# Altium PCB main_board.PcbDoc (part 2 of 2)
Units mil, origin at the board's own origin, x right, y up, seen from the top; angles counter-clockwise.
Board outline 8661.42 x 3543.31 mil, 2 copper layers (Top Layer, Bottom Layer); 79 components, 95 nets, 441 pads, 199 vias.
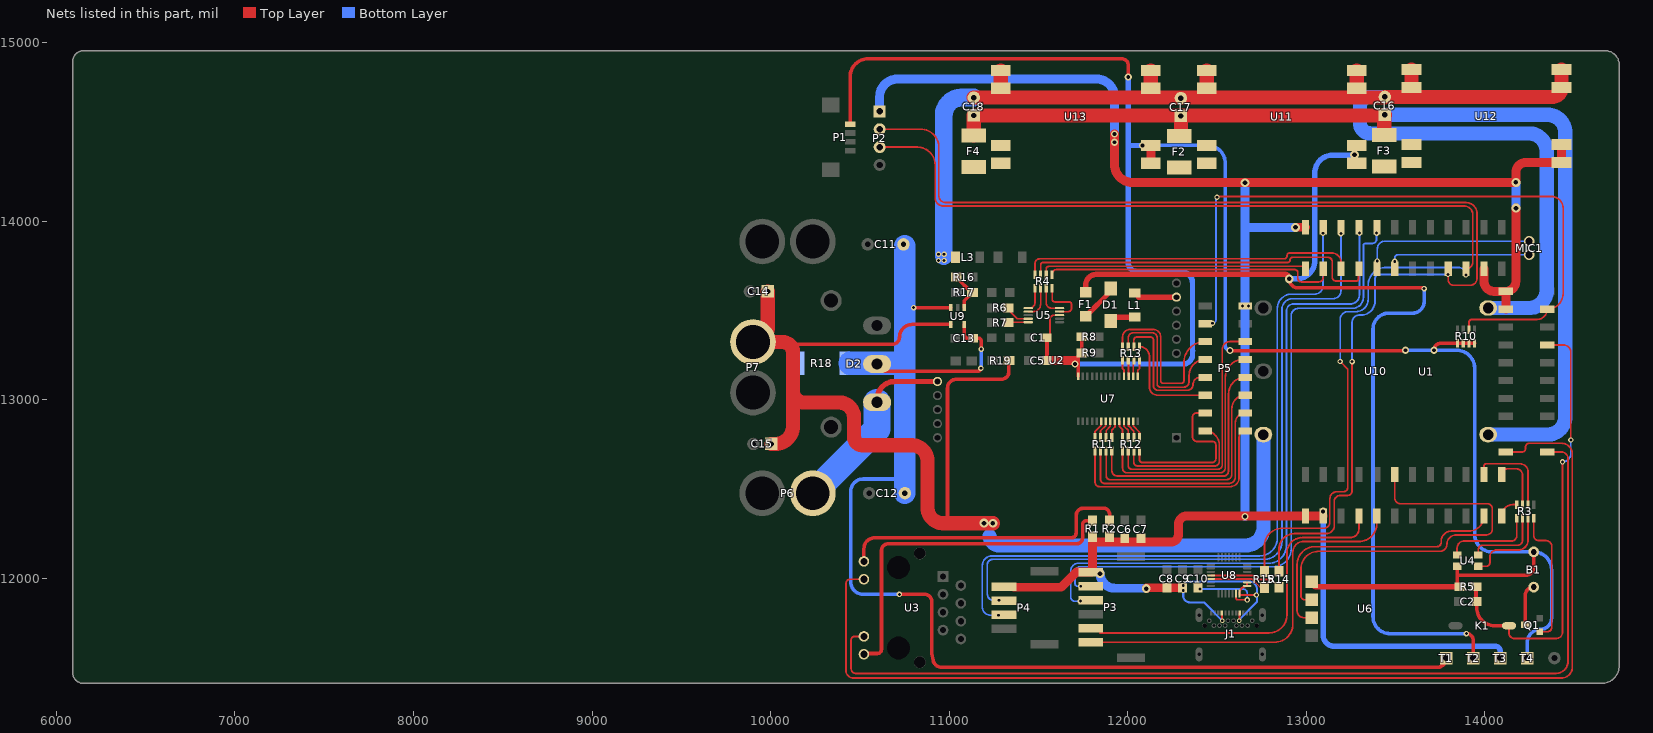
[diagram p2: the nets of this part, all layers, seen from the top]

## Via types
v1: diameter 30, hole 16, Top Layer to Bottom Layer, 165 vias
v2: diameter 40, hole 22, Top Layer to Bottom Layer, 22 vias
v3: diameter 50, hole 26, Top Layer to Bottom Layer, 12 vias

## Nets (pads, with @x,y where several pads share a name; then routed paths per layer and width w, separated by ;. In a path a pad name is that pad's centre, name@x,y a point inside that pad or via, vN(x,y) a via of type N, cw(c..) or ccw(c..) an arc to the next point about the centre after c; other vN are vias at no path point) (continued)
I2C2_SDA: P5.14 R10.3 U1.66 | length 3844.6
  Top Layer w10: v1(12500,14134) cw(c12504,14134) 12504,14138 14372.87,14138 cw(c14372.87,14071.87) 14439,14071.87 14439,13596.09 cw(c14349.96,13596.09) U1.66@14349.96,13507.05 cw(c14292.91,13507.05) 14292.91,13450 13929.32,13450 ccw(c13929.32,13431.68) 13911,13431.68 R10.3@13911,13392
  Bottom Layer w10: v1@12468,13424 ccw(c12468,13451) 12495,13451 12495,14129 cw(c12500,14129) v1(12500,14134)
  other v1: 12475,13428
IN_24.0V: C11.1 C12.1 C13.2 D2.2 R18.2 T1.1 U9.3 U9.5 | length 7458.9
  Top Layer w20: D2.2@10596.54,13200.46 ccw(c10636.99,13200.46) 10636.99,13160 11162,13160 ccw(c11162,13176) v1(11178,13176) ; v1(10721,11910) 10864.22,11910 cw(c10864.22,11872.22) 10902,11872.22 10902,11595 ccw(c10996,11595) 10903.55,11578 10910.55,11539.94 ccw(c10957.3,11548.54) 10957.3,11501 13732,11501 ccw(c13732,11553) T1.1@13784,11553 ; v1(10801,13516) U9.3@11010.2,13516 ; U9.5@11085,13421.51 11085,13362 ccw(c11102.42,13362) 11102.42,13344.58 11162.42,13344.58 cw(c11162.42,13327) 11180,13327 v1(11180,13283)
  Bottom Layer w20: v1(10721,11910) 10517.93,11910 cw(c10517.93,11978.93) 10449,11978.93 10449,12487 cw(c10518,12487) 10518,12556 10749.97,12556 cw(c10749.97,12554) 10751.97,12554 ; v1(11178,13176) ccw(c11178,13178) 11180,13178 v1(11180,13283)
  Bottom Layer w120: C12.1@10751.97,12476.38 10751.97,12554 C11.1@10751.97,13862.2
  Bottom Layer w130: R18.2@10445,13203.72 10747.69,13203.72
KEY(A7): C2.2 K1.1 R5.1 U1.62 | length 2498
  Top Layer w10: K1.1@14135.71,11734.2 14135.71,11692.25 ccw(c14164.96,11692.25) 14164.96,11663 14401,11663 ccw(c14401,11697) 14435,11697 v1(14435,12652) ; U1.62@14349.96,13307.05 14440.45,13307.05 cw(c14440.45,13265.5) 14482,13265.5 v1(14482,12774)
  Top Layer w20: R5.1@13950.66,11963.5 13950.66,11873.94 ccw(c13955.02,11873.94) C2.2@13955.02,11869.58 13955.02,11834.2 ccw(c14055.02,11834.2) 14055.02,11734.2 K1.1@14135.71,11734.2
  Bottom Layer w10: v1(14435,12652) ccw(c14435,12699) 14482,12699 v1(14482,12774)
LEDB(C3): R3.2 U1.48 | length 120.4
  Top Layer w10: U1.48@14095.32,12349.13 cw(c14158.77,12349.13) 14158.77,12412.59 R3.2@14179.5,12412.59
LEDG(C2): R3.4 U1.47 | length 319.1
  Top Layer w10: U1.47@14095.32,12581.42 cw(c14126.9,12581.42) 14126.9,12613 14176,12613 cw(c14176,12578) 14211,12578 R3.4@14211,12412.59
LEDR(C1): R3.6 U1.45 | length 511.1
  Top Layer w10: U1.45@13995.32,12581.42 13995.32,12629.32 cw(c14007,12629.32) 14007,12641 14198.1,12641 cw(c14198.1,12596.6) 14242.5,12596.6 R3.6@14242.5,12412.59
LINK_LED: U1.49 U3.10 | length 6361.6
  Top Layer w10: U3.10@10522.83,11994.45 10445,11994.45 ccw(c10445,11971.45) 10422,11971.45 10422,11483.12 ccw(c10464.12,11483.12) 10464.12,11441 14429.15,11441 ccw(c14429.15,11501.85) 14490,11501.85 14490,12696 ccw(c14430,12696) 14430,12756 14249.49,12756 ccw(c14249.49,12734.51) 14228,12734.51 14228,12725.46 cw(c14209.59,12725.46) 14209.59,12707.05 U1.49@14117.68,12707.05
MICN: MIC1.2 U1.12 | length 781.9
  Bottom Layer w10: v1(13496,13775) 13496,13794.63 cw(c13513,13794.63) 13513,13811.63 MIC1.2@14248.55,13811.63
MICP: MIC1.1 U1.10 | length 942.4
  Bottom Layer w10: v1(13398,13777) 13398,13844.21 cw(c13441.21,13844.21) 13441.21,13887.42 MIC1.1@14248.55,13887.42
NetB1_2: B1.2 Q1.3 | length 238.8
  Top Layer w20: Q1.3@14227.16,11738.48 14227.16,11903.73 cw(c14274,11903.73) B1.2@14274,11950.57
NetC10_2: C10.2 U8.6 | length 410.2
  Top Layer w10: U8.6@12606.87,11914.68 12606.87,11888.13 ccw(c12616,11888.13) 12616,11879 v1(12670,11879)
  Bottom Layer w10: v1(12405,11940) 12645,11940 cw(c12645,11915) 12670,11915 v1(12670,11879)
NetD1_1: D1.1 F1.2 | length 213
  Top Layer w30: F1.2@11764.75,13467.12 11905,13607.37 D1.1@11905,13622
NetD1_2: D1.2 L1.1 | length 143
  Top Layer w30: D1.2@11905,13440.9 11926.51,13462.41 L1.1@12039.11,13462.41
NetF2_2: F2.2 U11.2
NetF3_2: F3.2 U12.2
NetF4_2: F4.2 U13.2
NetQ1_1: Q1.1 R3.7 | length 768.5
  Top Layer w10: R3.7@14273.99,12337 14273.99,12240.01 ccw(c14303,12240.01) 14303,12211 14342.73,12211 cw(c14342.73,12178.73) 14375,12178.73 14375,11725.21 cw(c14350.27,11725.21) 14350.27,11700.48 Q1.1@14307.16,11700.48
NetR1_2: R1.2 U3.12 | length 1973.9
  Top Layer w20: U3.12@10522.83,11578.61 10598.32,11578.61 ccw(c10598.32,11601.29) 10621,11601.29 10621,12156.03 cw(c10657.97,12156.03) 10657.97,12193 11712.2,12193 ccw(c11712.2,12228.8) 11748,12228.8 11748,12300 cw(c11770.34,12300) 11770.34,12322.34 R1.2@11803.5,12322.34
NetR2_2: R2.2 U3.9 | length 1674.1
  Top Layer w20: U3.9@10522.83,12094.29 10522.83,12166.28 cw(c10583.55,12166.28) 10583.55,12227 11686,12227 ccw(c11686,12252) 11711,12252 11711,12349 cw(c11755,12349) 11755,12393 11863,12393 cw(c11863,12357.5) 11898.5,12357.5 R2.2@11898.5,12322.34
NetR3_1: R3.1 U4.1 | length 511.8
  Top Layer w10: U4.1@13844.86,12130.18 13844.86,12168.7 cw(c13885.16,12168.7) 13885.16,12209 14150.77,12209 ccw(c14150.77,12237.73) 14179.5,12237.73 R3.1@14179.5,12337
NetR3_3: R3.3 U4.3 | length 432.2
  Top Layer w10: U4.3@13962.97,12130.18 13962.97,12159.55 cw(c13988.42,12159.55) 13988.42,12185 14183.75,12185 ccw(c14183.75,12212.25) 14211,12212.25 R3.3@14211,12337
NetR3_5: R3.5 U4.4 | length 500.2
  Top Layer w10: U4.4@13962.97,12067.19 14008.19,12067.19 ccw(c14008.19,12088) 14029,12088 14029,12121 cw(c14066,12121) 14066,12158 14185.8,12158 ccw(c14185.8,12214.69) 14242.5,12214.69 R3.5@14242.5,12337
NetR4_1: R4.1 U5.1 | length 139.6
  Top Layer w10: U5.1@11442.99,13512.7 11448.7,13512.7 ccw(c11448.7,13545) 11481,13545 11481,13628.01 R4.1@11481.11,13628.01
NetR4_3: R4.3 U5.2 | length 186.5
  Top Layer w10: U5.2@11442.99,13493.02 11469.02,13493.02 ccw(c11469.02,13537) 11513,13537 11513,13588.01 11512.61,13588.01 R4.3@11512.61,13628.01
NetR4_5: R4.5 U5.10 | length 177
  Top Layer w10: R4.5@11544.1,13628.01 11544,13628.01 11544,13542 ccw(c11573.3,13542) 11573.3,13512.7 U5.10@11618.19,13512.7
NetR4_7: R4.7 U5.9 | length 291.7
  Top Layer w10: R4.7@11575.6,13628.01 cw(c11575.6,13626.61) 11577,13626.61 11577,13562 ccw(c11591,13562) 11591,13548 11673,13548 cw(c11673,13536) 11685,13536 11685,13511 cw(c11667.02,13511) 11667.02,13493.02 U5.9@11618.19,13493.02
NetR6_1: R6.1 U5.4 | length 142.6
  Top Layer w10: R6.1@11330.84,13513.89 11330.84,13504.56 11381.75,13453.65 U5.4@11442.99,13453.65
NetR7_1: R7.1 U5.5 | length 113
  Top Layer w10: R7.1@11330.84,13431.89 11332.91,13433.96 U5.5@11442.99,13433.96
NetR11_1: R11.1 U7.9 | length 98.4
  Top Layer w10: R11.1@11910.94,12788.44 11910.94,12829.94 11928.22,12847.22 U7.9@11928.22,12879.72
NetR11_3: R11.3 U7.8 | length 100.9
  Top Layer w10: R11.3@11879.45,12788.44 11879.45,12827.45 11902.63,12850.63 U7.8@11902.63,12879.72
NetR11_5: R11.5 U7.7 | length 103.3
  Top Layer w10: R11.5@11847.95,12788.44 11847.95,12825.95 11877.03,12855.03 U7.7@11877.03,12879.72
NetR11_7: R11.7 U7.6 | length 105.8
  Top Layer w10: R11.7@11816.46,12788.44 11816.46,12821.46 11851.44,12856.44 U7.6@11851.44,12879.72
NetR12_1: R12.1 U7.13 | length 105.9
  Top Layer w10: U7.13@12030.58,12879.72 12030.58,12853.42 12065.94,12818.06 R12.1@12065.94,12788.44
NetR12_3: R12.3 U7.12 | length 103.5
  Top Layer w10: U7.12@12004.99,12879.72 12004.99,12853.01 12034.45,12823.55 R12.3@12034.45,12788.44
NetR12_5: R12.5 U7.11 | length 101
  Top Layer w10: U7.11@11979.4,12879.72 11979.4,12851.6 12002.95,12828.05 R12.5@12002.95,12788.44
NetR12_7: R12.7 U7.10 | length 98.6
  Top Layer w10: U7.10@11953.81,12879.72 11953.81,12850.19 11971.46,12832.54 R12.7@11971.46,12788.44
NetR13_1: R13.1 U7.18 | length 93
  Top Layer w10: R13.1@11971.46,13221.44 11971.46,13173.54 11979.4,13165.6 U7.18@11979.4,13131.68
NetR13_3: R13.3 U7.17 | length 90.6
  Top Layer w10: R13.3@12002.95,13221.44 12004.99,13219.41 U7.17@12004.99,13131.68
NetR13_5: R13.5 U7.16 | length 91.4
  Top Layer w10: U7.16@12030.58,13131.68 12030.58,13217.57 R13.5@12034.45,13221.44
NetR13_7: R13.7 U7.15 | length 93.8
  Top Layer w10: U7.15@12056.17,13131.68 12056.17,13164.17 12065.94,13173.94 R13.7@12065.94,13221.44
NetR14_1: R14.1 U8.25 | length 409.2
  Top Layer w10: U8.25@12466.02,12016.16 12706.84,12016.16 12730,11993 12803.84,11993 R14.1@12847.5,11949.34
NetR15_1: R15.1 U8.26 | length 319.4
  Top Layer w10: U8.26@12466.02,11996.47 12695.53,11996.47 12743.66,11948.34 R15.1@12765.5,11948.34
NetR16_2: R16.2 R17.1 U9.1 | length 230
  Top Layer w20: R16.2@11039.66,13686.5 11125.66,13600.5 R17.1@11130.66,13600.5 11085,13554.84 U9.1@11085,13516
PGND: C16.2 C17.2 C18.2 L3.1 U10.4 U11.1 U11.4 U12.1 U12.4 U13.1 U13.4 | length 7671.2
  Top Layer w80: C18.2@11138,14692 11287,14692 ; U13.1@11289.27,14844.17 U13.1@11289.27,14743.74 11289.27,14694.27 cw(c11287,14694.27) 11287,14692 ; U13.4@12129.5,14743.74 U13.4@12129.5,14843.74 ; U11.1@12442.27,14743.74 U11.1@12442.27,14844.17 ; U11.4@13282.5,14843.74 U11.4@13282.5,14743.74 13282.5,14692 ; C16.2@13440,14692 13282.5,14692 ; C16.2@13440,14696 13553.45,14696 ; U12.1@13589.27,14849.17 U12.1@13589.27,14748.74 cw(c13532.53,14748.74) 13555.52,14696.87 cw(c13532.53,14748.74) 13553.45,14696 ; U12.4@14429.5,14848.74 U12.4@14429.5,14748.74 cw(c14376.76,14748.74) 14376.76,14696 13553.45,14696 ; 11287,14692 13282.5,14692
  Bottom Layer w80: C16.2@13440,14696 13351.78,14696 ccw(c13351.78,14645.22) 13301,14645.22 13301,14549.54 ccw(c13359.54,14549.54) 13359.54,14491 14247,14491 cw(c14247,14391) 14347,14391 14347,13613.66 cw(c14247,13613.66) 14247,13513.66 U10.4@14018.84,13513.66
  Bottom Layer w100: v1@10970,13804 10970,14592 cw(c11070,14592) 11070,14692 C18.2@11138,14692
  other v1: 10940,13780 10972,13780 10940,13815 10972,13815
PLC_12V: L1.2 U2.11 | length 243.7
  Top Layer w30: L1.2@12039.11,13597.41 12062.04,13574.47 U2.11@12273.32,13574.47
POWER_24V: D2.1 P6.1 U2.13 | length 1070
  Top Layer w30: D2.1@10596.54,12985.89 10596.54,13002.03 cw(c10696.54,13002.03) 10696.54,13102.03 U2.13@10934.73,13102.03
  Bottom Layer w150: P6.1@10236.64,12476.38 10596.54,12836.28 D2.1@10596.54,12985.89
PWM0: P5.1 R11.8 | length 1306.3
  Top Layer w10: R11.8@11816.46,12712.85 11816.46,12539.4 ccw(c11842.85,12539.4) 11842.85,12513 12574,12513 ccw(c12574,12563) 12624,12563 12624,12791.17 cw(c12658.09,12791.17) P5.1@12658.09,12825.25
PWM1: P5.3 R11.6 | length 1336.6
  Top Layer w10: R11.6@11847.95,12712.85 11847.95,12554.62 ccw(c11871.57,12554.62) 11871.57,12531 12566.03,12531 ccw(c12566.03,12567.97) 12603,12567.97 12603,12870.17 cw(c12658.09,12870.17) P5.3@12658.09,12925.25
PWM2: P5.5 R11.4 | length 1358
  Top Layer w10: R11.4@11879.45,12712.85 11879.45,12574.38 ccw(c11901.82,12574.38) 11901.82,12552 12552.9,12552 ccw(c12552.9,12582.1) 12583,12582.1 12583,12950.17 cw(c12658.09,12950.17) P5.5@12658.09,13025.25
PWM3: P5.7 R11.2 | length 1374.6
  Top Layer w10: R11.2@11910.94,12712.85 11910.94,12604.51 ccw(c11943.45,12604.51) 11943.45,12572 12535.28,12572 ccw(c12535.28,12601.72) 12565,12601.72 12565,13032.17 cw(c12658.09,13032.17) P5.7@12658.09,13125.25
PWM4: P5.9 R12.8 | length 1376.7
  Top Layer w10: R12.8@11971.46,12712.85 11971.46,12615.98 ccw(c11996.44,12615.98) 11996.44,12591 12518.17,12591 ccw(c12518.17,12619.83) 12547,12619.83 12547,13125.25 cw(c12647,13125.25) 12647,13225.25 P5.9@12658.09,13225.25
PWM5: P5.11 R12.6 | length 1434.1
  Top Layer w10: R12.6@12002.95,12712.85 12002.95,12631.35 ccw(c12023.3,12631.35) 12023.3,12611 12506.2,12611 ccw(c12506.2,12634.8) 12530,12634.8 12530,13282.8 cw(c12572.45,13282.8) 12572.45,13325.25 P5.11@12658.09,13325.25
PWM6: P5.2 R12.4 | length 784.4
  Top Layer w10: R12.4@12034.45,12712.85 12034.45,12648.65 ccw(c12054.09,12648.65) 12054.09,12629 12487.2,12629 ccw(c12487.2,12654.8) 12513,12654.8 12513,12745.93 ccw(c12433.68,12745.93) P5.2@12433.68,12825.25
PWM7: P5.4 R12.2 | length 927.2
  Top Layer w10: R12.2@12065.94,12712.85 12065.94,12665.02 ccw(c12082.96,12665.02) 12082.96,12648 12473.07,12648 ccw(c12473.07,12668.93) 12494,12668.93 12494,12747.52 ccw(c12475.52,12747.52) 12475.52,12766 12389.49,12766 cw(c12389.49,12792.49) 12363,12792.49 12363,12904.08 cw(c12384.17,12904.08) 12384.17,12925.25 P5.4@12433.68,12925.25
PWM8: P5.6 R13.8 | length 596.1
  Top Layer w10: R13.8@12065.94,13297.03 cw(c12065.94,13240.98) 12122,13240.98 12122,13070.27 ccw(c12167.02,13070.27) 12167.02,13025.25 P5.6@12433.68,13025.25
PWM9: P5.8 R13.6 | length 767.7
  Top Layer w10: R13.6@12034.45,13297.03 12034.45,13334.45 cw(c12051,13334.45) 12051,13351 12128,13351 cw(c12128,13335) 12144,13335 12144,13078 ccw(c12169,13078) 12169,13053 12334,13053 ccw(c12334,13085) 12366,13085 cw(c12406.25,13085) 12406.25,13125.25 P5.8@12433.68,13125.25
PWM10: P5.10 R13.4 | length 883.9
  Top Layer w10: R13.4@12002.95,13297.03 12002.95,13346.09 cw(c12031.86,13346.09) 12031.86,13375 12135.6,13375 cw(c12135.6,13345.6) 12165,13345.6 12165,13089.1 ccw(c12184.1,13089.1) 12184.1,13070 12313,13070 ccw(c12313,13101) 12344,13101 12344,13135.57 cw(c12433.68,13135.57) P5.10@12433.68,13225.25
PWM11: P5.12 R13.2 | length 995.2
  Top Layer w10: R13.2@11971.46,13297.03 11971.46,13351.7 cw(c12013.75,13351.7) 12013.75,13394 12142,13394 cw(c12142,13351) 12185,13351 12185,13106.29 ccw(c12199.29,13106.29) 12199.29,13092 12302,13092 ccw(c12302,13105) 12315,13105 12315,13206.57 cw(c12433.68,13206.57) P5.12@12433.68,13325.25
SPD_LED: U1.50 U3.11 | length 5585.7
  Top Layer w10: U3.11@10522.83,11674.45 10471.67,11674.45 ccw(c10471.67,11653.78) 10451,11653.78 10451,11493.95 ccw(c10477.95,11493.95) 10477.95,11467 14399.5,11467 ccw(c14399.5,11533.5) 14466,11533.5 14466,12670.49 ccw(c14429.44,12670.49) 14429.44,12707.05 U1.50@14349.96,12707.05
SPI1_CLK: R4.2 U1.6 | length 1876
  Top Layer w10: R4.2@11481.11,13700.6 11481.11,13763.11 cw(c11507,13763.11) 11507,13789 12875.14,13789 ccw(c12875.14,13806.37) 12890.12,13797.58 ccw(c12875.14,13806.37) 12892.51,13806.37 cw(c12908.14,13806.37) 12908.14,13822 13141.75,13822 cw(c13141.75,13768.25) 13195.5,13768.25 U1.6@13195.5,13733.46
SPI1_CS: R4.4 U1.8 | length 2037.3
  Top Layer w10: R4.4@11512.61,13700.6 11512.61,13754.92 cw(c11526.69,13754.92) 11526.69,13769 12897,13769 ccw(c12897,13781) 12909,13781 cw(c12926,13781) 12926,13798 13120,13798 cw(c13120,13772) 13146,13772 13146,13685 ccw(c13166,13685) 13166,13665 13281,13665 ccw(c13281,13677) 13293,13677 13293,13730.96 cw(c13295.5,13730.96) U1.8@13295.5,13733.46
SPI1_MISO: R4.8 U1.4 | length 1647.8
  Top Layer w10: R4.8@11575.6,13700.6 cw(c11604,13700.6) 11576.59,13708.02 cw(c11604,13700.6) 11604,13729 12935,13729 cw(c12935,13711) 12953,13711 12953,13680 ccw(c12973,13680) 12973,13660 13070,13660 ccw(c13070,13685.5) 13095.5,13685.5 13095.5,13722.5 cw(c13033,13722.5) U1.4@13095.06,13715.06
SPI1_MOSI: R4.6 U1.2 | length 1499.5
  Top Layer w10: R4.6@11544.1,13700.6 11544.1,13732.88 cw(c11558.22,13732.88) 11558.22,13747 12981.97,13747 cw(c12981.97,13733.46) U1.2@12995.5,13733.46
T24.0V: C14.1 C15.1 P7.1 R18.1 R19.1 U9.4 U10.1 | length 7212.2
  Top Layer w20: 10102.53,13310.87 10682.87,13310.87 ccw(c10682.87,13350) 10722,13350 cw(c10793.51,13350) 10793.51,13421.51 U9.4@11010.2,13421.51 ; 10979,12308 ccw(c10979,12320) 10991,12320 10991,13064 cw(c11042,13064) 11042,13115 11292.59,13115 ccw(c11292.59,13157.07) 11334.66,13157.07 R19.1@11334.66,13219.5
  Top Layer w78.74: P7.1@9901.57,13323.25 10066.05,13323.25 cw(c10066.05,13263.3) 10102.53,13310.87 cw(c10066.05,13263.3) 10126,13263.3 10126,13046 ; C15.1@10003.94,12751.97 10026,12751.97 ccw(c10026,12851.97) 10126,12851.97 10126,13046 ; v3(11245,12308) 10966.12,12308 cw(c10966.12,12395.12) 10879,12395.12 10879,12657 ccw(c10791,12657) 10791,12745 10513.81,12745 cw(c10513.81,12790.81) 10468,12790.81 10468,12898 ccw(c10381,12898) 10381,12985 10187,12985 cw(c10187,13046) 10126,13046
  Top Layer w80: P7.1@9901.57,13323.25 ccw(c9901.57,13405.93) 9984.25,13405.93 C14.1@9984.25,13606.3
  Bottom Layer w78.74: 11227,12237 ccw(c11280,12237) 11280,12184 12659.98,12184 ccw(c12659.98,12284) 12759.98,12284 U10.1@12759.98,12805
  other v3: 11195,12309
UART0_RXD: P2.2 R14.2 U1.18 | length 6824.6
  Top Layer w10: P2.2@10610.83,14514.76 10842,14514.76 cw(c10842,14414.76) 10942,14414.76 10942,14142.99 ccw(c10980.99,14142.99) 10980.99,14104 13894.37,14104 cw(c13894.37,14041.37) 13957,14041.37 13957,13681 cw(c13917,13681) 13917,13641 13825.83,13641 cw(c13825.83,13671.33) 13795.5,13671.33 U1.18@13795.5,13733.46 ; R14.2@12847.5,12039.34 12847.5,12163.5 cw(c12934,12163.5) 12934,12250 13113,12250 ccw(c13113,12294) 13157,12294 13157,12430.35 cw(c13190.65,12430.35) 13190.65,12464 13232,12464 ccw(c13232,12489) 13257,12489 v1(13257,13213)
  Bottom Layer w10: v1(13257,13213) 13257,13435 cw(c13296,13435) 13296,13474 13308,13474 ccw(c13308,13551) 13385,13551 13385,13677 cw(c13410,13677) 13410,13702 v1(13794,13702)
UART0_TXD: P2.3 R15.2 U1.20 | length 6680.4
  Top Layer w10: P2.3@10610.83,14414.76 10822,14414.76 cw(c10822,14314.76) 10922,14314.76 10922,14131.03 ccw(c10968.03,14131.03) 10968.03,14085 13883.56,14085 cw(c13883.56,14035.56) 13933,14035.56 13933,13770.96 cw(c13895.5,13770.96) U1.20@13895.5,13733.46 ; R15.2@12765.5,12038.34 12765.5,12180 cw(c12865.5,12180) 12865.5,12280 13099,12280 ccw(c13099,12313) 13132,12313 13132,12444.13 cw(c13172.87,12444.13) 13172.87,12485 13208.62,12485 ccw(c13208.62,12509.38) 13233,12509.38 13233,13171 v1(13190,13214)
  Bottom Layer w10: v1(13190,13214) 13190,13449 cw(c13234,13449) 13234,13493 13278,13493 ccw(c13278,13562) 13347,13562 13347,13641 cw(c13447,13641) 13447,13741 13852,13741 cw(c13852,13699) v1(13894,13699)
UART1_RXD: P3.1 U1.34 | length 2199.3
  Top Layer w10: P3.1@11792.38,11640.54 cw(c11793.84,11640.54) 11793.84,11642 12825,11642 ccw(c12825,11742) 12925,11742 12925,12146 cw(c12985,12146) 12985,12206 13295.32,12206 ccw(c13295.32,12306) 13395.32,12306 U1.34@13395.32,12349.13
UART1_TXD: P3.2 U1.32 | length 2006.5
  Top Layer w10: 11843,11694 12792,11694 ccw(c12792,11794) 12872.84,11735.13 ccw(c12792,11794) 12892,11794 12892,12141 cw(c12979,12141) 12979,12228 13247,12228 ccw(c13247,12276.32) 13295.32,12276.32 U1.32@13295.32,12349.13
UART2_RXD: U1.46 U6.4 | length 1568.2
  Top Layer w10: U6.4@13030.91,11779.19 12986.69,11779.19 cw(c12986.69,11816.88) 12949,11816.88 12949,12077 cw(c13049,12077) 13049,12177 13732,12177 ccw(c13732,12201) 13756,12201 13756,12208 cw(c13812,12208) 13812,12264 13910.18,12264 ccw(c13910.18,12349.13) U1.46@13995.32,12349.13
UART2_TXD: U1.35 U6.3 | length 2249.8
  Top Layer w10: U6.3@13030.91,11879.19 12993.24,11879.19 cw(c12993.24,11902.43) 12970,11902.43 12970,12051 cw(c13070,12051) 13070,12151 13749,12151 ccw(c13749,12190) 13788,12190 cw(c13841,12190) 13841,12243 14009.34,12243 ccw(c14009.34,12275.66) 14042,12275.66 14042,12391 ccw(c14016,12391) 14016,12417 13529,12417 cw(c13529,12450.68) 13495.32,12450.68 U1.35@13495.32,12581.42
USB_DM1: P4.2 U1.5 | length 3992.6
  Bottom Layer w10: v1(11279,11877) 11248,11877 cw(c11248,11911) 11214,11911 11214,12076 cw(c11244,12076) 11244,12106 11564,12106 12764,12106 ccw(c12764,12206) 12864,12206 12864,13506.32 cw(c12923.68,13506.32) 12923.68,13566 13151.13,13566 ccw(c13151.13,13608.87) 13194,13608.87 v1(13194,13930) ; v1@13193,13930 v1@13193,13939
USB_DM2: P3.5 U1.9 | length 3577.2
  Bottom Layer w10: v1(11737,11955) 11720,11955 cw(c11720,11970) 11705,11970 11705,12035.28 cw(c11734.72,12035.28) 11734.72,12065 12816,12065 ccw(c12816,12165) 12916,12165 12916,13471.13 cw(c12956.87,13471.13) 12956.87,13512 13258.7,13512 ccw(c13258.7,13573.3) 13320,13573.3 13320,13863.1 cw(c13331.9,13863.1) 13331.9,13875 13369,13875 ccw(c13369,13900) 13394,13900 v1(13394,13933)
USB_DP1: P4.3 U1.3 | length 3998.2
  Bottom Layer w10: v1(11277,11793) 11231,11793 cw(c11231,11838) 11186,11838 11186,12071.51 cw(c11239.49,12071.51) 11239.49,12125 12738,12125 ccw(c12738,12225) 12838,12225 12838,13511.2 cw(c12917.8,13511.2) 12917.8,13591 13046.66,13591 ccw(c13046.66,13638.34) 13094,13638.34 v1(13094,13932)
USB_DP2: P3.4 U1.7 | length 3630.7
  Bottom Layer w10: v1(11735,11872) cw(c11734,11872) 11734,11871 11704.8,11871 cw(c11704.8,11894.8) 11681,11894.8 11681,12040 cw(c11725,12040) 11725,12084 12789,12084 ccw(c12789,12184) 12889,12184 12889,13496.61 cw(c12928.39,13496.61) 12928.39,13536 13246.77,13536 ccw(c13246.77,13587.23) 13298,13587.23 v1(13298,13933) ; v1@13297,13933 v1@13297,13941
VDD_3.3V: B1.1 C1.1 C5.2 P1.1 R5.2 R8.2 R9.2 R10.2 R10.4 R10.6 R10.8 T4.1 U4.2 U5.8 U6.2 U7.28 U13.3 | length 12188.5
  Top Layer w10: C1.1@11547.98,13347.42 ccw(c11547.98,13364.44) 11565,13364.44 11565,13451 cw(c11587.33,13451) 11587.33,13473.33 U5.8@11618.19,13473.33
  Top Layer w20: P1.1@10445.5,14542.96 10445.5,14809 cw(c10545.5,14809) 10545.5,14909 11967.67,14909 cw(c11967.67,14873.67) 12003,14873.67 v2(12003,14807) ; C5.2@11546.02,13219.58 ccw(c11546.02,13221.55) 11547.98,13221.55 C1.1@11547.98,13347.42 ; U7.28@11723.49,13131.68 R9.2@11723.49,13246.84 ; R9.2@11743.51,13261.8 R8.2@11743.51,13352.8 ; v2(12574,13275) 13554,13275 v2(13556,13277) ; v2(13715,13277) cw(c13754.41,13277) 13754.41,13316.41 R10.8@13848.01,13316.41 R10.6@13879.5,13316.41 R10.4@13911,13316.41 R10.2@13942.5,13316.41 ; U4.2@13844.86,12067.19 13844.86,12017.62 ; R5.2@13860.66,11963.5 cw(c13860.66,11979.3) 13844.86,11979.3 13844.86,12017.62 ; B1.1@14274,12147.43 14274,12059.88 cw(c14231.75,12059.88) 14231.75,12017.62 13844.86,12017.62
  Top Layer w30: U6.2@13030.91,11979.19 ccw(c13057.59,11979.19) 13057.59,11952.5 R5.2@13860.66,11952.5
  Top Layer w50: C5.2@11546.02,13219.58 v2@11706,13219.58 ; U13.3@12129.5,14323.74 U13.3@12129.5,14423.74
  Bottom Layer w20: 12003,14420 cw(c12007,14420) 12007,14424 12022,14424 ; v2(12084,14424) 12447,14424 cw(c12447,14324) 12547,14324 12547,13302 ccw(c12574,13302) v2(12574,13275) ; 12367,13277 12369,13275 ; v2(13556,13277) v2(13715,13277) 13843,13277 cw(c13843,13177) 13943,13177 13943,12247.43 ccw(c14043,12247.43) 14043,12147.43 B1.1@14274,12147.43 cw(c14274,12047.43) 14374,12047.43 14374,11776 cw(c14312,11776) 14312,11714 ccw(c14312,11640.5) 14238.5,11640.5 T4.1@14238.5,11553
  Bottom Layer w30: v2(11705,13200) 12310,13200 ccw(c12310,13253.14) 12363.14,13253.14 12363.14,13653.23 ccw(c12298.37,13653.23) 12298.37,13718 12050.6,13718 cw(c12050.6,13765.6) 12003,13765.6 12003,14420 v2(12003,14807) ; 12022,14424 v2(12084,14424)
VDD_5.0V: C6.1 C7.1 C8.2 C9.2 J1.A4 J1.A9 J1.B4 J1.B9 P2.1 P3.6 P4.1 P5.15 R1.1 R2.1 T3.1 U1.1 U1.22 U1.26 U1.28 U1.65 U1.67 U8.7 U8.8 U8.9 U12.3 | length 13497.2
  Top Layer w12: J1.A4@12528.06,11806 12528.06,11764.27 ccw(c12530.02,11764.27) J1.B9@12530.02,11762.3 ; J1.B4@12624.51,11762.3 ccw(c12624.51,11764.27) 12626.48,11764.27 J1.A9@12626.48,11806 ; U8.9@12668.97,11976.79 U8.8@12668.97,11957.1 ccw(c12668.97,11914.68) U8.7@12626.55,11914.68 ccw(c12635.23,11914.68) 12635.23,11906 v1(12721,11906)
  Top Layer w50: P4.1@11363.67,11949.53 11627.53,11949.53 11712.24,12034.24 P3.6@11792.38,12034.24 ccw(c11792.38,12045.36) 11803.5,12045.36 R1.1@11803.5,12232.34 ; 11805,12198 cw(c11809.34,12198) 11809.34,12202.34 12241.03,12202.34 ccw(c12241.03,12246.31) 12285,12246.31 12285,12304 cw(c12330.13,12304) 12330.13,12349.13 U1.26@12995.32,12349.13 U1.28@13095.32,12349.13 ; v2(11926,14488) 11926,14317 ccw(c12026,14317) 12026,14217 12940,14217 ; v3(12104,11942) cw(c12108.98,11942) 12108.98,11946.98 C8.2@12219.58,11946.98 C9.2@12307.58,11946.98 ; 12944,14217 v3(14174,14217) 14174,14272.77 cw(c14229.97,14272.77) 14229.97,14328.74 U12.3@14429.5,14328.74 U12.3@14429.5,14428.74 ; v3@12951.25,13965.75 U1.1@12995.5,13965.75 ; U1.22@13995.5,13733.46 13995.5,13662.7 ccw(c14051.15,13662.7) 14051.15,13607.05 U1.67@14117.68,13607.05 ; U1.65@14117.68,13507.05 U1.67@14117.68,13607.05 ; v3(14175,14073) 14175,13664.37 14174,13663.37 cw(c14117.68,13663.37) U1.67@14117.68,13607.05
  Bottom Layer w12: J1.B9@12530.02,11762.3 12427.32,11865 12347.49,11865 cw(c12347.49,11901.49) 12311,11901.49 12311,11949 cw(c12344,11949) 12344,11982 12681,11982 cw(c12681,11939) 12724,11939 12724,11868 12624.51,11768.51 J1.B4@12624.51,11762.3
  Bottom Layer w30: P2.1@10610.83,14604.92 P2.1@10610.83,14614.76 ; v2(13095,12375) 13095,11680.49 ccw(c13156.49,11680.49) 13156.49,11619 14058.2,11619 cw(c14058.2,11590.2) 14087,11590.2 T3.1@14087,11553
  Bottom Layer w50: P2.1@10610.83,14614.76 10610.83,14696 cw(c10710.83,14696) 10710.83,14796 11826,14796 cw(c11826,14696) 11926,14696 v2@11926,14434 ; v3@11845,12029 ccw(c11930,12029) 11930,11944 v3@12104,11944 ; v2(12657,12346) 12657,13968 ; v3@12657,14211 12657,13968 ; v3(12940,13965) 12660,13965 cw(c12660,13968) 12657,13968 ; v3(14175,14073) v3@14175,14217
  other v1: 12311,11932 12311,11959 12644,13524 12677,13525
  other v2: 11926,14442
  other v3: 11845,12026 12657,14215
VDD_12.0V: F1.1 T2.1 U11.3 | length 5770.6
  Top Layer w20: v3(12905,13677) ccw(c12956,13677) 12956,13626 13374,13626 v1@13660,13626 ; v1(13897,11690) cw(c13897,11651.5) 13935.5,11651.5 T2.1@13935.5,11553
  Top Layer w30: F1.1@11764.75,13602.12 11764.75,13642.35 cw(c11824.39,13642.35) 11824.39,13702 12880,13702 cw(c12880,13677) v3(12905,13677)
  Bottom Layer w20: v1(13660,13622) 13660,13549 cw(c13596,13549) 13596,13485 13463,13485 ccw(c13463,13396) 13374,13396 13374,11785 ccw(c13469,11785) 13469,11690 v1(13897,11690)
  Bottom Layer w30: v3(12905,13677) 12948,13677 ccw(c12948,13777) 13048,13777 13048,14270 cw(c13148,14270) 13148,14370 v3@13262,14370
  other v3: 13270,14372
VDD_24.0V: C16.1 C17.1 C18.1 F2.1 F3.1 F4.1 U10.5 | length 5788.9
  Top Layer w80: F4.1@11137.39,14480.94 11138,14481.55 C18.1@11138,14592 13436,14592 ccw(c13436,14596) C16.1@13437.39,14592.25 ; F2.1@12289.39,14476.94 12298,14485.55 C17.1@12298,14589 ; F3.1@13437.39,14482.94 C16.1@13437.39,14592.25 ; C16.1@13440,14596 cw(c13436,14596) C16.1@13437.39,14592.25
  Bottom Layer w80: C16.1@13440,14596 14351,14596 cw(c14351,14496) 14451,14496 14451,12905 cw(c14351,12905) 14351,12805 U10.5@14018.84,12805
pads on no net: D2.0 J1.A2 J1.A3 J1.A5 J1.A8 J1.A10 J1.A11 J1.B2 J1.B3 J1.B5 J1.B8 J1.B10 J1.B11 J1.None P1.0 P3.0 P4.0 U1.11 U1.13 U1.14 U1.16 U1.19 U1.21 U1.25 U1.31 U1.36 U1.37 U1.38 U1.39 U1.40 U1.41 U1.42 U1.44 U1.55 U1.56 U1.57 U1.58 U1.61 U1.63 U1.68 U2.0 U2.2 U2.3 U2.4 U2.5 U2.6 U2.14 U2.15 U3.4 U3.5 U3.7 U3.MH3 U5.6 U5.7 U6.1 U6.6 U6.7 U6.8 U6.9 U6.10 U6.11 U6.12 U7.19 U7.20 U7.21 U7.22 U8.0 U8.1 U8.2 U8.10 U8.11 U8.12 U8.13 U8.14 U8.15 U8.16 U8.17 U8.18 U8.19 U8.20 U8.21 U8.22 U8.23 U8.24 U8.27 U8.28 U10.2

## Polygon pours and split planes (outlines as drawn)
GND on Top Layer "Top Layer-No Net" (solid, remove dead copper, pour order 12): 9635,14010 9635,14988 cw(c9735,14988) 9735,15088 9844,15088 10893,15088 cw(c10893,14988) 10993,14988 10993,14497 10993,11357 cw(c10893,11357) 10893,11257 10683,11257 9727,11257 cw(c9727,11357) 9627,11357 9627,11613
DGND on Top Layer "Top Layer-No Net" (solid, remove dead copper, pour order 10): 10897,15061 14393,15061 cw(c14393,14961) 14493,14961 14493,14682 14493,11370 cw(c14393,11370) 14393,11270 14280,11270 11010,11270 cw(c11010,11370) 10910,11370 10910,11477 10910,15019 cw(c10952,15019) 10952,15061
GND on Top Layer "Top Layer-No Net" (solid, remove dead copper, pour order 6): 14535,14603 14535,14971 cw(c14569,14971) 14569,15005 14736,15005 cw(c14736,14905) 14836,14905 14836,14841 14836,11365 cw(c14736,11365) 14736,11265 14540,11265
GND on Bottom Layer "Top Layer-No Net" (solid, remove dead copper, pour order 14): 9629,14826 9629,15007 cw(c9729,15007) 9729,15107 9871,15107 14891,15107 cw(c14891,15007) 14991,15007 14991,14525 14991,11379 cw(c14891,11379) 14891,11279 14667,11279 9714,11279 cw(c9714,11379) 9614,11379 9614,11759

## Keep-outs
Keep-Out Layer:
  circle w10: c14634.92,12277.17 r59.06
  circle w10: c14634.92,14088.19 r59.06
  circle w10: c6209.72,14088.19 r59.06
  circle w10: c6209.72,12277.17 r59.06
  circle w10: c11626.38,13977.12 r47.24
  circle w10: c12171.65,13977.12 r47.24
  circle w10: c12171.65,12304.09 r47.24
  circle w10: c11626.38,12304.09 r47.24
  lines w10: 8056.18,13005.51 cw(c8056.18,12954.33) 8107.36,12954.33 8107.36,11678.34 cw(c8056.58,11678.34) 8056.58,11627.56 7696.56,11627.56 cw(c7696.56,11689.2) 7634.92,11689.2 7634.92,12965.72 cw(c7674.71,12965.72) 7674.71,13005.51 8060.12,13005.51 ; 8107.36,14694.49 ccw(c8056.18,14694.49) 8056.18,14745.67 7677.88,14745.67 ccw(c7677.88,14702.71) 7634.92,14702.71 7634.92,13454.01 ccw(c7681.84,13454.01) 7681.84,13407.09 8056.58,13407.09 ccw(c8056.58,13457.87) 8107.36,13457.87 8107.36,14698.43 ; 8738.58,11468.19 cw(c8803.47,11468.19) 8803.47,11533.07 9144.96,11533.07 cw(c9144.96,11468.19) 9209.84,11468.19 ; 8767.75,13852 ccw(c8768.4,13898.35) 8814.75,13897.69 cw(c8852.25,13892.19) 8857.75,13929.69 9115.75,13929.69 cw(c9119.25,13895.19) 9153.75,13898.69 ccw(c9199.59,13897.85) 9198.75,13852 ; 8771.75,13694.39 cw(c8770.9,13648.54) 8816.75,13647.69 ccw(c8851.25,13651.19) 8854.75,13616.69 9112.75,13616.69 ccw(c9118.25,13654.19) 9155.75,13648.69 cw(c9202.09,13648.04) 9202.75,13694.39 ; 8775.16,14896.81 ccw(c8840.04,14896.81) 8840.04,14831.93 9181.53,14831.93 ccw(c9181.53,14896.81) 9246.42,14896.81 ; 8786.75,12671 ccw(c8787.4,12717.35) 8833.75,12716.69 cw(c8871.25,12711.19) 8876.75,12748.69 9134.75,12748.69 cw(c9138.25,12714.19) 9172.75,12717.69 ccw(c9218.59,12716.85) 9217.75,12671 ; 8789.75,12513.39 cw(c8788.9,12467.54) 8834.75,12466.69 ccw(c8869.25,12470.19) 8872.75,12435.69 9130.75,12435.69 ccw(c9136.25,12473.19) 9173.75,12467.69 cw(c9220.09,12467.04) 9220.75,12513.39 ; 8821.75,13694.39 9144.75,13694.39 ; 8825.75,13852 9148.75,13852 ; 8839.75,12513.39 9162.75,12513.39 ; 8844.75,12671 9167.75,12671 ; 9804.94,11553 9804.94,12216.39 cw(c9837.94,12216.39) 9837.94,12249.39 10189.95,12249.39 cw(c10189.95,12212.97) 10226.36,12212.97 10226.36,11556.2 cw(c10189.36,11556.2) 10189.36,11519.2 ; 9804.94,11553.6 ccw(c9839.34,11553.6) 9839.34,11519.2 10190,11519.2 ; 10186.36,14121.46 ccw(c10186.36,14158.46) 10223.36,14158.46 10223.36,14795.23 ccw(c10186.95,14795.23) 10186.95,14831.65 9834.94,14831.65 ccw(c9834.94,14798.65) 9801.94,14798.65 9801.94,14155.86 ccw(c9836.34,14155.86) 9836.34,14121.46 10187,14121.46 ; 6091.61,11470.08 ccw(c6150.67,11470.08) 6150.67,11411.02 14654.61,11411.02 ccw(c14654.61,11509.45) 14753.03,11509.45 14753.03,14875.59 ccw(c14674.29,14875.59) 14674.29,14954.33 6150.67,14954.33 ccw(c6150.67,14895.28) 6091.61,14895.28 6091.61,11470.08 ; 8570.67,12533.07 ccw(c8590.35,12533.07) 8590.35,12513.39 9405.99,12513.39 ccw(c9405.99,12544.21) 9436.81,12544.21 9436.81,12637.54 ccw(c9403.49,12637.54) 9403.49,12670.87 8598.23,12670.87 ccw(c8598.23,12643.31) 8570.67,12643.31 8570.67,12533.07 ; 8570.67,13714.17 ccw(c8590.35,13714.17) 8590.35,13694.49 9405.99,13694.49 ccw(c9405.99,13725.31) 9436.81,13725.31 9436.81,13818.65 ccw(c9403.49,13818.65) 9403.49,13851.97 8598.23,13851.97 ccw(c8598.23,13824.41) 8570.67,13824.41 8570.67,13714.17

## Other copper
Top Layer:
  region net VDD_3.3V: 11731,13285 11547.98,13285 11547.98,13221.55 11731,13221.55
  region net DGND: 11853,13154 11796,13154 11796,13108 11853,13108
  region net GND: 13023,13556 12715,13556 12715,13415 13023,13415
  region net GND: 9748,13535 9637,13535 9637,13091 9748,13091
  region net GND: 9924,14027 9636,14027 9636,13515 9924,13515
  region net GND: 9942,13145 9641,13145 9641,12306 9942,12306
  region net PGND: 11059,13832 10924,13832 10924,13762 11059,13762
  rectangle net NetF4_2: 11068,14267 11346,14397
  rectangle net NetF2_2: 12221,14262 12498,14397
  rectangle net NetF3_2: 13371,14275 13646,14412
  text "传承创新" at 6183.53,14814.54 h150 r270
  text "自强不息" at 6174.53,12107.54 h150 r270
Bottom Layer:
  rectangle net DGND: 12397,13506 12469,13544
  region net T24.0V: 11280,12344 11173,12344 11173,12144 11280,12144
  region net T24.0V: 10266,13324 10041,13324 10041,13137 10266,13137
  region net T24.0V: 10269,13433 9912,13433 9912,13213 10269,13213
  rectangle net VDD_12.0V: 13229,14293 13339,14415
  rectangle net VDD_5.0V: 12621,13504 12696,13543

## Silkscreen, mask and mechanical layers (free items; w line width, h text height)
Top Overlay:
  lines w10: 6327.83,11411.02 6327.83,14954.33 ; 11135.5,14183.18 11160.5,14208.18 11160.5,14050.18 11323.5,14050.18 ; 11160.5,14111.21 ccw(c11160.5,14050.18) 11215.09,14022.89 ; 11161.5,14207.18 11186.5,14182.18 ; 11196.63,14022.8 11220.5,14040.18 11229.44,14009.63 ; 11298.5,14025.18 11323.5,14050.18 ; 11298.5,14075.18 11323.5,14050.18 ; 14516.81,11411.02 14516.81,14954.33 ; 14547.72,13211.69 14744.57,13211.69
  text "5.0V" at 13911,14661 h100
  text "3.3V" at 11595,14652 h100
  text "12.0V" at 12740,14649 h100
  text "5.0V" at 10679.13,14586.61 h60
  text "3.3V" at 10479,14528 h40
  text "RX0" at 10679.13,14498.03 h60
  text "左上" at 8952,14492 h60
  text "SDA" at 10482.28,14478.35 h40
  text "SCL" at 10482.28,14429.13 h40
  text "TX0" at 10679.13,14399.61 h60
  text "GND" at 10482,14382 h40
  text "GND" at 10679.13,14301.18 h60
  text "Y" at 11206.5,14162.18 h35
  text "X" at 11278.5,14103.18 h35 r180
  text "Z" at 11160.18,13979.03 h35 r180
  text "左中" at 8941,13301 h60
  text "右上" at 8941,12067 h60
  text "5V" at 11630,12013 h60
  text "D-" at 11629,11936 h60
  text "5V" at 11171,11931 h60
  text "D+" at 11628,11861 h60
  text "D-" at 11165,11850 h60
  text "GND" at 11608,11780 h60
  text "D+" at 11167,11771 h60
  text "TX1" at 11617,11701 h60
  text "GND" at 11155,11692 h60
  text "RX1" at 11619,11625 h60
  text "V2.0 20200424" at 13151,11451 h60
Bottom Overlay:
  text "左下" at 9066,14491 h60
  text "右中" at 9048,13296 h60
  text "右下" at 9051,12065 h60
Top Solder:
  text "传承创新" at 6184.53,14815.54 h150 r270
  text "自强不息" at 6173.53,12107.54 h150 r270
Bottom Solder:
  region: 10266,13285 10042,13285 10042,13138 10266,13138
  region: 10267,13431 9948,13431 9948,13214 10267,13214
  lines w10: 8674.75,11410.69 ccw(c8677.92,11471.36) 8738.58,11468.19 ; 8715.58,14954.31 8715.25,14953.98 cw(c8716.62,14895.44) 8775.16,14896.81 ; 9209.84,11468.19 ccw(c9268.38,11469.56) 9269.75,11411.02 9269.42,11410.69 ; 9246.42,14896.81 cw(c9307.08,14893.64) 9310.25,14954.31
  lines w130: 10450,13203 10592.99,13204
  lines w150: 10236.64,12476.38 10238.38,12476.38 10596.54,12834.54 10596.54,12985.89 ; 10236.64,13885.83 10596.54,13525.93 10596.54,13415.02

## Text inside footprints (layer, text, board x,y; h text height)
C14: Top Overlay "+" at 9958.25,13570.3 h78.74 r180
C15: Top Overlay "+" at 9977.94,12715.97 h78.74 r180
C16: Top Overlay "+" at 13404,14622 h78.74 r90
C17: Top Overlay "+" at 12262,14615 h78.74 r90
C18: Top Overlay "+" at 11102,14618 h78.74 r90
LOGO1: Top Overlay "1918" at 13523.25,13035.79 h50
MIC1: Top Overlay "+" at 14293.83,13866.75 h60
P6: Top Overlay "-" at 10016.91,12318.38 h80; Top Overlay "+" at 10169.91,12310.38 h80
P7: Top Overlay "-" at 10059.57,13103.52 h80 r90; Top Overlay "+" at 10067.57,13256.52 h80 r90
P8: Top Overlay "-" at 10016.91,13727.83 h80; Top Overlay "+" at 10169.91,13719.83 h80
U1: Top Overlay "IOG11" at 13281.06,12754.65 h50 r270; Top Overlay "5V" at 12977.27,12285.81 h50 r270; Top Overlay "CS1" at 13280.9,13677.87 h50 r270; Top Overlay "CLK1" at 13179.49,13677.87 h50 r270; Top Overlay "MISO1" at 13077.32,13681.81 h50 r270; Top Overlay "MOSI1" at 12979.32,13681.81 h50 r270; Top Overlay "5V" at 12974.96,14080.97 h50 r270; Top Overlay "DP1" at 13083.43,14103.75 h50 r270; Top Overlay "DM1" at 13184.83,14111.18 h50 r270; Top Overlay "DP2" at 13284.83,14109.61 h50 r270; Top Overlay "DM2" at 13384.83,14117.05 h50 r270; Top Overlay "IRRX" at 13484.83,14130.77 h50 r270; Top Overlay "SPDF" at 13584.83,14143.62 h50 r270; Top Overlay "LRCK" at 13684.83,14144.31 h50 r270; Top Overlay "BCK" at 13784.83,14117.01 h50 r270; Top Overlay "SDOT" at 13884.83,14149.67 h50 r270; Top Overlay "SDIN" at 13984.83,14129.57 h50 r270; Top Overlay "GND" at 14081.63,14123.06 h50 r270; Top Overlay "NC" at 14066.14,13123.85 h50 r180; Top Overlay "NC" at 14470.42,13123.46 h50 r180; Top Overlay "5V" at 14066.14,13623.11 h50 r180; Top Overlay "3V3" at 14486.69,13621.94 h50 r180; Top Overlay "5V" at 14066.14,13522.23 h50 r180; Top Overlay "SDA2" at 14523.41,13522.94 h50 r180; Top Overlay "DM3" at 14066.14,13423.46 h50 r180; Top Overlay "SCL2" at 14518.47,13422.94 h50 r180; Top Overlay "DP3" at 14066.14,13322.44 h50 r180; Top Overlay "IOA7" at 14506.74,13322.94 h50 r180; Top Overlay "GND" at 14066.14,13223.32 h50 r180; Top Overlay "GND" at 14505.63,13221.74 h50 r180; Top Overlay "NC" at 14066.14,13022.87 h50 r180; Top Overlay "NC" at 14470.42,13022.67 h50 r180; Top Overlay "RXP" at 14066.14,12922.53 h50 r180; Top Overlay "RXN" at 14498.24,12920.94 h50 r180; Top Overlay "TXP" at 14066.14,12823.23 h50 r180; Top Overlay "TXN" at 14495.74,12823.94 h50 r180; Top Overlay "LNK" at 14036.97,12746.77 h50 r270; Top Overlay "SPD" at 14498.56,12722.75 h50 r180; Top Overlay "3V3" at 12979.91,12707.8 h50 r270; Top Overlay "SDA0" at 13079.91,12744.76 h50 r270; Top Overlay "5V" at 13077.27,12285.81 h50 r270; Top Overlay "SCL0" at 13179.91,12739.82 h50 r270; Top Overlay "GND" at 13177.27,12285.81 h50 r270; Top Overlay "TX1" at 13277.27,12285.81 h50 r270; Top Overlay "RX1" at 13377.27,12285.81 h50 r270; Top Overlay "GND" at 13379.91,12726.74 h50 r270; Top Overlay "TX2" at 13479.91,12710.76 h50 r270; Top Overlay "IOA2" at 13579.91,12727.53 h50 r270; Top Overlay "IOA3" at 13679.91,12727.85 h50 r270; Top Overlay "3V3" at 13779.91,12707.8 h50 r270; Top Overlay "IOA6" at 13477.27,12285.81 h50 r270; Top Overlay "GND" at 13577.27,12285.81 h50 r270; Top Overlay "IOG8" at 13677.27,12285.81 h50 r270; Top Overlay "IOG9" at 13777.27,12285.81 h50 r270; Top Overlay "GND" at 13877.27,12285.81 h50 r270; Top Overlay "MOSI0" at 13879.91,12765.83 h50 r270; Top Overlay "MISO0" at 13983.82,12768.43 h50 r270; Top Overlay "RX2" at 13977.27,12285.81 h50 r270; Top Overlay "CLK0" at 14159.02,12634.57 h50 r270; Top Overlay "CS0" at 14070.57,12285.81 h50 r270; Top Overlay "RX0" at 13780.9,13677.87 h50 r270; Top Overlay "TX0" at 13880.9,13677.87 h50 r270; Top Overlay "5V" at 13980.9,13677.87 h50 r270; Top Overlay "GND" at 14163.94,13775.32 h50 r270; Top Overlay "LL" at 13680.9,13677.87 h50 r270; Top Overlay "LR" at 13580.9,13677.87 h50 r270; Top Overlay "MN" at 13480.9,13677.87 h50 r270; Top Overlay "MP" at 13380.9,13677.87 h50 r270
U2: Top Overlay "NC" at 11048,12958 h55 r180; Top Overlay "NC" at 11049,12881 h55 r180; Top Overlay "AC/L" at 11085,13120 h55 r180; Top Overlay "AC/N" at 11096,12797 h55 r180; Top Overlay "GND" at 12211,13672 h60 r180; Top Overlay "12V" at 12211.06,13593.56 h60 r180; Top Overlay "RXN" at 12214.99,13518.49 h60 r180; Top Overlay "RXP" at 12214.99,13439.49 h60 r180; Top Overlay "TXN" at 12214.94,13360.49 h60 r180; Top Overlay "TXP" at 12214.94,13281.49 h60 r180; Top Overlay "GND" at 12211,12803 h60 r180
U6: Top Overlay "Y" at 13328.21,11938.46 h35; Top Overlay "X" at 13400.21,11879.46 h35 r180; Top Overlay "Z" at 13281.89,11755.31 h35 r180; Top Overlay "VCC" at 13090.91,11960.19 h35; Top Overlay "VCC" at 13480.91,11960.19 h35; Top Overlay "GND" at 13090.91,11660.19 h35; Top Overlay "GND" at 13480.91,11660.19 h35; Top Overlay "RX" at 13100.91,11860.19 h35; Top Overlay "TX" at 13100.91,11760.19 h35; Top Overlay "SDA" at 13480.91,11760.19 h35; Top Overlay "SCL" at 13480.91,11860.19 h35; Top Overlay "D0" at 13090.91,12060.19 h35; Top Overlay "D1" at 13100.91,11560.19 h35; Top Overlay "D2" at 13480.91,12060.19 h35; Top Overlay "D3" at 13490.91,11560.19 h35
U11: Top Overlay "Vi-" at 12611.68,14768.9 h78.74; Top Overlay "Vi+" at 12611.68,14348.9 h78.74; Top Overlay "Vo-" at 13000.68,14764.9 h78.74; Top Overlay "Vo+" at 12995.76,14345.9 h78.74
U12: Top Overlay "Vi-" at 13758.68,14773.9 h78.74; Top Overlay "Vi+" at 13758.68,14353.9 h78.74; Top Overlay "Vo-" at 14147.68,14769.9 h78.74; Top Overlay "Vo+" at 14142.76,14350.9 h78.74
U13: Top Overlay "Vi-" at 11458.68,14768.9 h78.74; Top Overlay "Vi+" at 11458.68,14348.9 h78.74; Top Overlay "Vo-" at 11847.68,14764.9 h78.74; Top Overlay "Vo+" at 11842.76,14345.9 h78.74